# Altium PCB Atlas-Pi.PcbDoc (part 1 of 3) (continued)
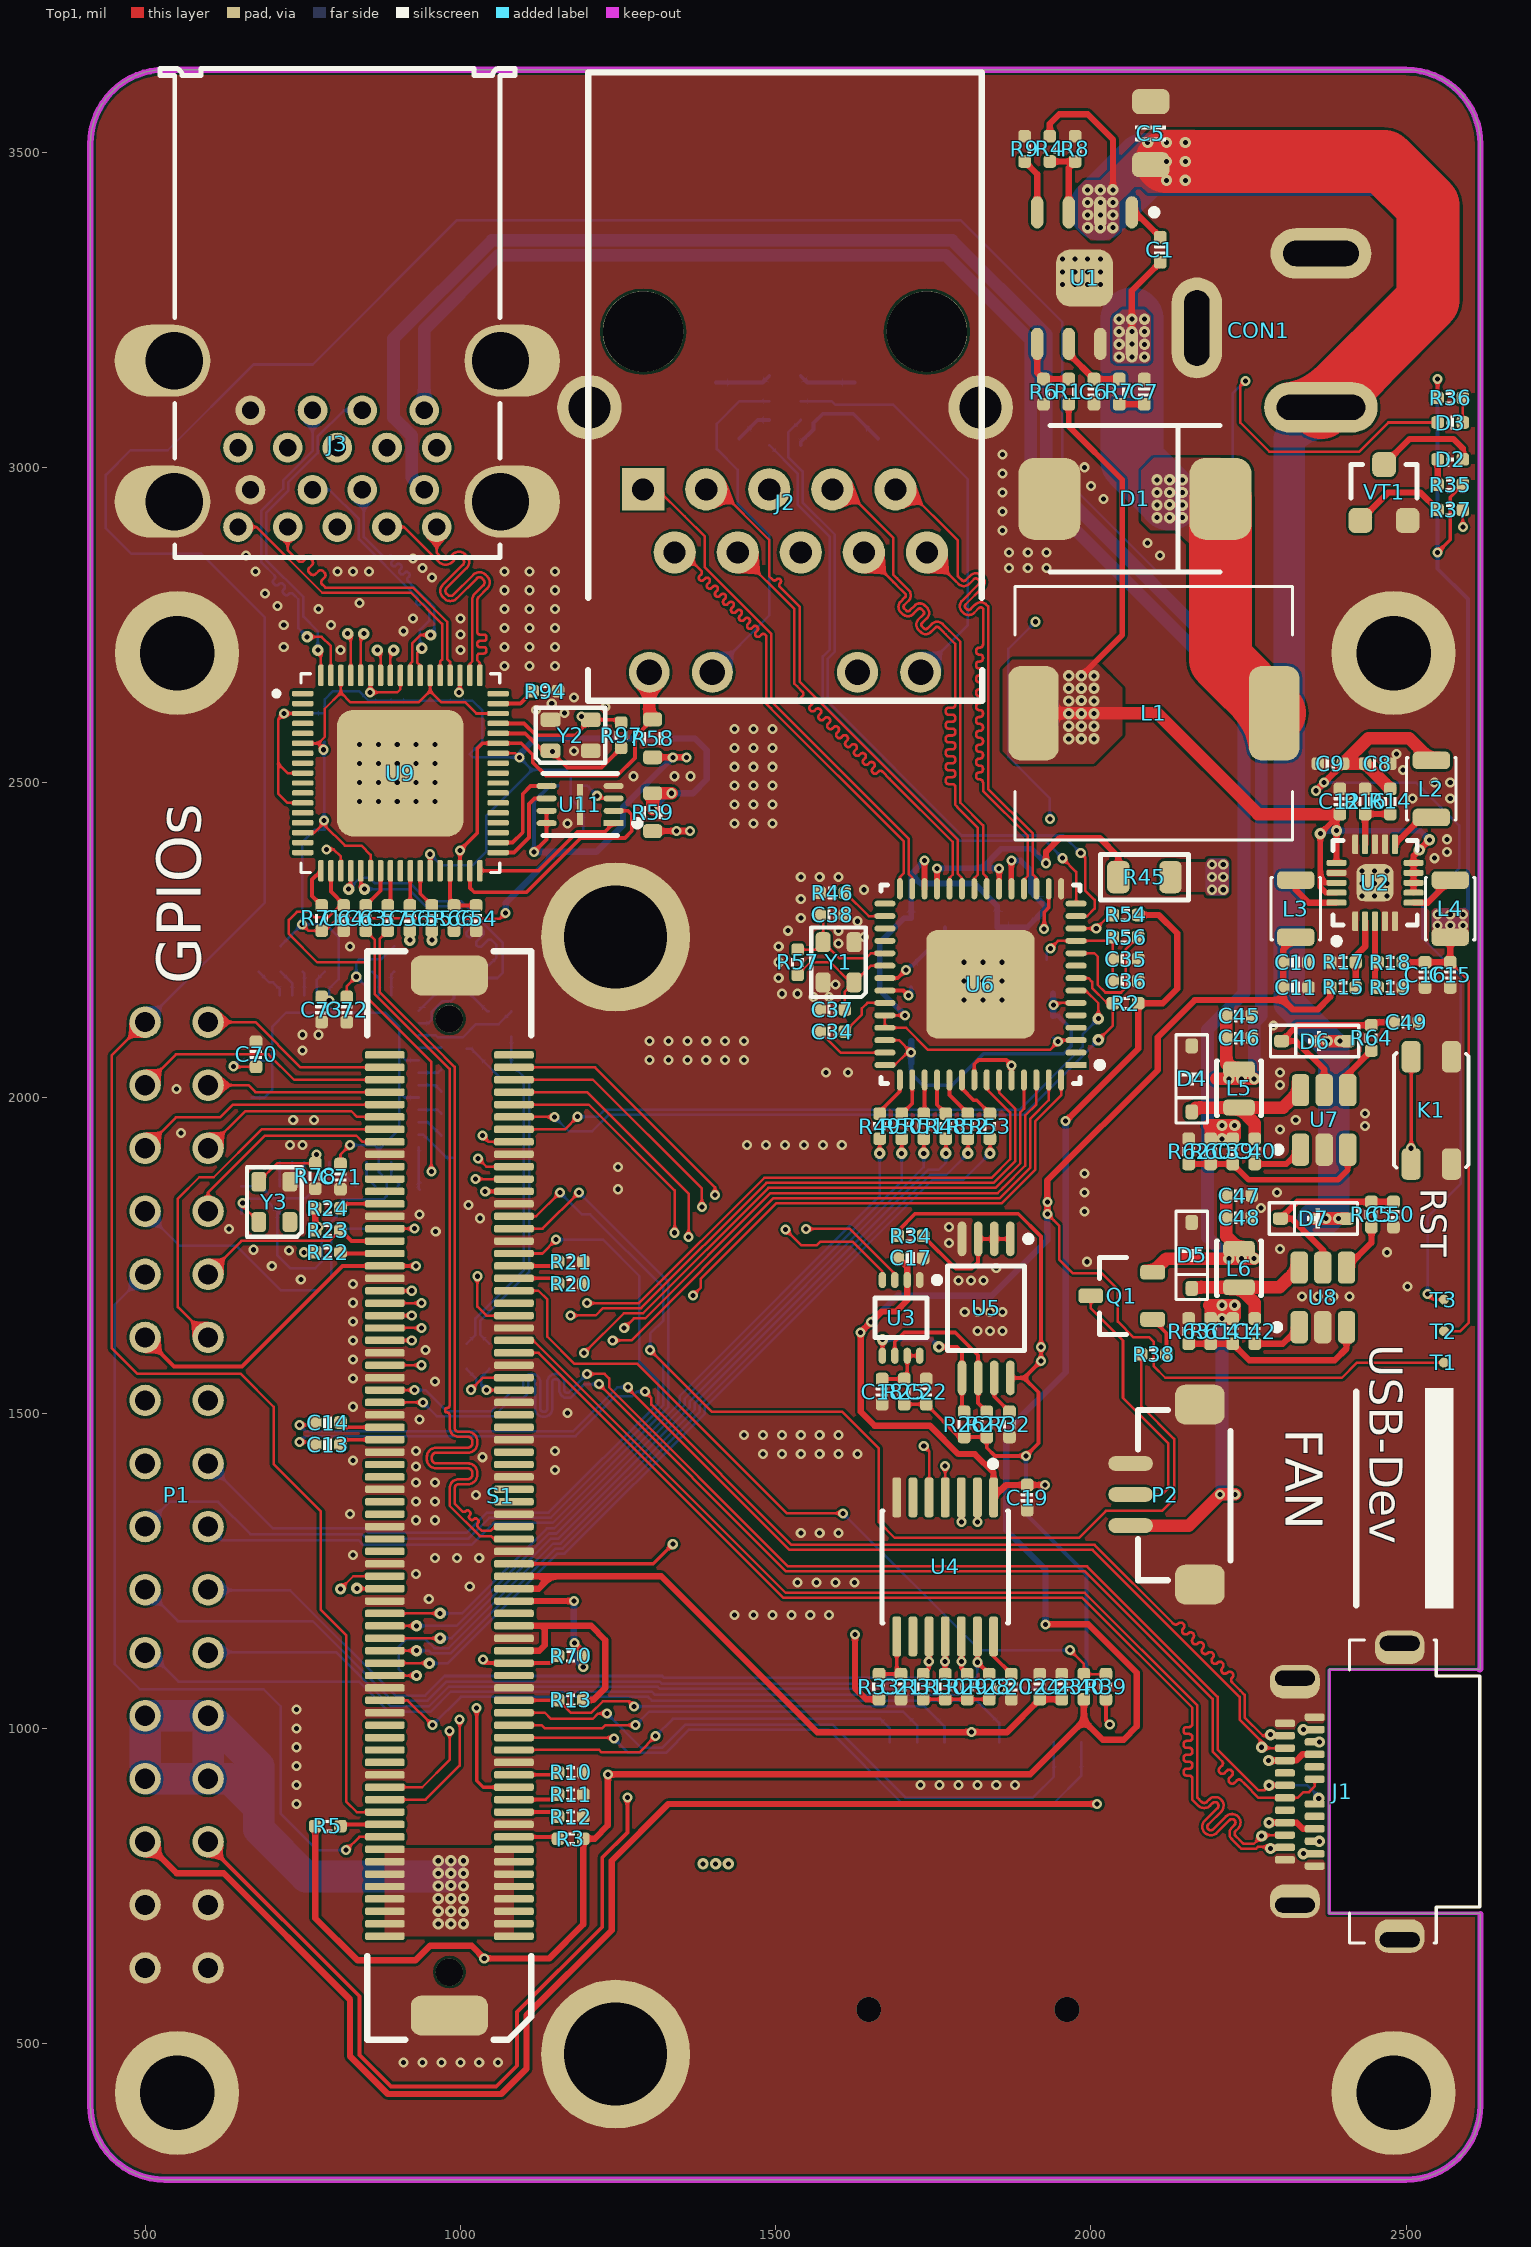
[diagram p0: Top1 view]
## Components (designator, comment, footprint, x,y, rotation, side; value= is the part's Value field where it differs from the comment) (continued)
T2 "测试点" TEST_PT 2560,1629.99 r0 top
T3 "测试点" TEST_PT 2560,1679.99 r0 top
TF1 "TF" TF-SOCKET 1500.91,649.64 r270 bottom locked
U1 "TPS54560DDAR" SO-8-PAD 1990,3300 r270 top locked
U2 "EA3036" QFN-20 2450.75,2341.02 r90 top
U3 "PCA9306DCUT" VSSOP-8 1699,1651 r270 top
U4 "TXS0104EPWR" R-PDSO-G14 1769,1256 r180 top
U5 "24LC256-I/ST" TSSOP-8 1834,1666 r270 top
U6 "88E1512-A0-NNP2I000" QFN-56 1825,2180 r180 top
U7 "ME3116" SOT23-6 2370,1965 r90 top
U8 "ME3116" SOT23-6 2368,1683.5 r90 top
U9 "VL805" QFN-68-0.4MM 905,2515 r0 top
U10 "PI6C49D1510ZDIEX" QFN-48_7X7 802,2030 r180 bottom
U11 "W25Q80DVUXIE_TR" SPI-FLASH-USON 1190,2465 r180 top
VT1 "S8050" SMT_TRIODE_NPN 2465,2960 r0 top
VT2 "S8050" SMT_TRIODE_NPN 1625,3090 r180 bottom
VT3 "S8050" SMT_TRIODE_NPN 1405,3090 r180 bottom
Y1 "25MHz" 晶振2520 1600,2215 r90 top
Y2 "25MHz" 晶振2520 1175,2575 r0 top
Y3 "100MHz" 晶振2520 705,1835 r90 top

## Footprints (in the part's own frame and the unit in brackets; to place one, negate y for a bottom-side part, rotate by r counter-clockwise, add the part's x,y. Pads: shape width x height; smd on the part's side, far side on the other; paste and mask are expansions set on the pad)
0603-RES [mil]
  rrect50% 22x30 smd: 1(-30,0) 2(30,0)
  silkscreen extent -10,-16 10,16, body extent -31,-16 31,16, height 18
0805-L [mm]
  rrect50% 0.9x1.3 smd: 1(-1.05,0) 2(1.05,0)
  silkscreen extent -1.78,-0.91 1.78,0.91, body extent -1,-0.6 1,0.6, height 0.76
1206-CAP [mm]
  rrect50% 1x1.5 smd: 1(-1.27,0) 2(1.27,0)
  silkscreen extent -0.3,-0.61 0.3,0.61, body extent -1.5,-0.75 1.5,0.75, height 1.5
2520-L [mm]
  rrect50% 0.7x1.5 smd: 1(-1.15,0) 2(1.15,0)
  silkscreen extent -1.25,-1 1.25,1, body extent -1,-0.6 1,0.6, height 0.92
692141030100 [mm] "USB 3.0 Type A Stacked"
  round 1.2 hole 0.7: A1(-3.5,3.93) A2(-1,3.93) A3(1,3.93) A4(3.5,3.93) A5(4,5.43) A6(2,5.43) A7(0,5.43) A8(-2,5.43) A9(-4,5.43) B1(-3.5,7.13) B2(-1,7.13) B3(1,7.13) B4(3.5,7.13) B5(4,8.63) B6(2,8.63) B7(0,8.63) B8(-2,8.63) B9(-4,8.63)
  oval 3.85x2.9 hole 2.3 copper offset -0.475,0: Shell(-6.57,7.61) Shell(-6.57,1.93)
  oval 3.85x2.9 hole 2.3 copper offset 0.475,0: Shell(6.57,7.61) Shell(6.57,1.93)
  silkscreen extent -7.15,-9.85 7.15,9.85, body extent -7.79,-9.85 7.79,9.85, height 16.16
ATLAS-200 [mm]
  rrect50% 0.3x1.6 smd: 1(-17.75,2.6) 2(-17.75,-2.6) 3(-17.25,2.6) 4(-17.25,-2.6) 5(-16.75,2.6) 6(-16.75,-2.6) 7(-16.25,2.6) 8(-16.25,-2.6) 9(-15.75,2.6) 10(-15.75,-2.6) 11(-15.25,2.6) 12(-15.25,-2.6) 13(-14.75,2.6) 14(-14.75,-2.6) 15(-14.25,2.6) 16(-14.25,-2.6) 17(-13.75,2.6) 18(-13.75,-2.6) 19(-13.25,2.6) 20(-13.25,-2.6) 21(-12.75,2.6) 22(-12.75,-2.6) 23(-12.25,2.6) 24(-12.25,-2.6) 25(-11.75,2.6) 26(-11.75,-2.6) 27(-11.25,2.6) 28(-11.25,-2.6) 29(-10.75,2.6) 30(-10.75,-2.6) 31(-10.25,2.6) 32(-10.25,-2.6) 33(-9.75,2.6) 34(-9.75,-2.6) 35(-9.25,2.6) 36(-9.25,-2.6) 37(-8.75,2.6) 38(-8.75,-2.6) 39(-8.25,2.6) 40(-8.25,-2.6) 41(-7.75,2.6) 42(-7.75,-2.6) 43(-7.25,2.6) 44(-7.25,-2.6) 45(-6.75,2.6) 46(-6.75,-2.6) 47(-6.25,2.6) 48(-6.25,-2.6) 49(-5.75,2.6) 50(-5.75,-2.6) 51(-5.25,2.6) 52(-5.25,-2.6) 53(-4.75,2.6) 54(-4.75,-2.6) 55(-4.25,2.6) 56(-4.25,-2.6) 57(-3.75,2.6) 58(-3.75,-2.6) 59(-3.25,2.6) 60(-3.25,-2.6) 61(-2.75,2.6) 62(-2.75,-2.6) 63(-2.25,2.6) 64(-2.25,-2.6) 65(-1.75,2.6) 66(-1.75,-2.6) 67(-1.25,2.6) 68(-1.25,-2.6) 69(-0.75,2.6) 70(-0.75,-2.6) 71(-0.25,2.6) 72(-0.25,-2.6) 73(0.25,2.6) 74(0.25,-2.6) 75(0.75,2.6) 76(0.75,-2.6) 77(1.25,2.6) 78(1.25,-2.6) 79(1.75,2.6) 80(1.75,-2.6) 81(2.25,2.6) 82(2.25,-2.6) 83(2.75,2.6) 84(2.75,-2.6) 85(3.25,2.6) 86(3.25,-2.6) 87(3.75,2.6) 88(3.75,-2.6) 89(4.25,2.6) 90(4.25,-2.6) 91(4.75,2.6) 92(4.75,-2.6) 93(5.25,2.6) 94(5.25,-2.6) 95(5.75,2.6) 96(5.75,-2.6) 97(6.25,2.6) 98(6.25,-2.6) 99(6.75,2.6) 100(6.75,-2.6) 101(7.25,2.6) 102(7.25,-2.6) 103(7.75,2.6) 104(7.75,-2.6) 105(8.25,2.6) 106(8.25,-2.6) 107(8.75,2.6) 108(8.75,-2.6) 109(9.25,2.6) 110(9.25,-2.6) 111(9.75,2.6) 112(9.75,-2.6) 113(10.25,2.6) 114(10.25,-2.6) 115(10.75,2.6) 116(10.75,-2.6) 117(11.25,2.6) 118(11.25,-2.6) 119(11.75,2.6) 120(11.75,-2.6) 121(12.25,2.6) 122(12.25,-2.6) 123(12.75,2.6) 124(12.75,-2.6) 125(13.25,2.6) 126(13.25,-2.6) 127(13.75,2.6) 128(13.75,-2.6) 129(14.25,2.6) 130(14.25,-2.6) 131(14.75,2.6) 132(14.75,-2.6) 133(15.25,2.6) 134(15.25,-2.6) 135(15.75,2.6) 136(15.75,-2.6) 137(16.25,2.6) 138(16.25,-2.6) 139(16.75,2.6) 140(16.75,-2.6) 141(17.25,2.6) 142(17.25,-2.6) 143(17.75,2.6) 144(17.75,-2.6)
  rrect50% 1.6x3.1 smd: S1(-20.95,0) S2(20.95,0)
  round 6 hole 4.15: ""(-22.502,-6.7) ""(22.498,-6.7)
  round 1.1 hole 1.1: ""(-19.2,0) ""(19.2,0)
  silkscreen extent -21.93,-3.3 21.93,3.3, body extent -26.3,-32.9 26.3,5.6, height 11.85
ButtonTACT_3.5*3.55_90 [mil]
  rrect50% 50x30 smd: 1(-85,32) 2(-85,-32) 3(85,32) 4(85,-32)
  silkscreen extent -91,-59 91,59, body extent -90,-55 91,85, height 56
CAP_0402 [mil]
  rrect50% 20x20 smd: 1(-20,0) 2(20,0)
  silkscreen extent -7,-9 7,9, body extent -20,-10 20,10, height 20
DO-214AB-SMC [mm]
  rrect50% 2.5x3.3 smd paste+0 mask+0: 1(-3.45,0) 2(3.45,0)
  silkscreen extent -3.43,-2.95 3.43,2.95, body extent -3.98,-2.95 3.97,2.95, height 2.27
GE-SOCKET [mm] "WE-RJ45 LAN Transformer, THT"
  rect 1.7x1.7 hole 0.89: 1(-5.715,0.51)
  round 1.7 hole 0.89: 2(-4.445,-2.03) 3(-3.175,0.51) 4(-1.905,-2.03) 5(-0.635,0.51) 6(0.635,-2.03) 7(1.905,0.51) 8(3.175,-2.03) 9(4.445,0.51) 10(5.715,-2.03)
  round 1.65 hole 1.02: 11(-5.469,-6.86) 12(-2.929,-6.86) 13(2.921,-6.86) 14(5.461,-6.86)
  round 2.6 hole 1.7: S(-7.878,3.81) S(7.878,3.81)
  round 3.25 hole 3.25 unplated paste+0: ""(-5.715,6.86) ""(5.715,6.86)
  silkscreen extent -7.94,-8 7.94,17.3, body extent -8.2,-7.73 8.2,17.58, height 13.35
HDR2X16_2.54_180 [mil]
  round 50 hole 32: 1(0,0) 2(100,0) 3(0,-100) 4(100,-100) 5(0,-200) 6(100,-200) 7(0,-300) 8(100,-300) 9(0,-400) 10(100,-400) 11(0,-500) 12(100,-500) 13(0,-600) 14(100,-600) 15(0,-700) 16(100,-700) 17(0,-800) 18(100,-800) 19(0,-900) 20(100,-900) 21(0,-1000) 22(100,-1000) 23(0,-1100) 24(100,-1100) 25(0,-1200) 26(100,-1200) 27(0,-1300) 28(100,-1300) 29(0,-1400) 30(100,-1400) 31(0,-1500) 32(100,-1500)
  body extent -50,-1550 150,50, height 335
IND-201612 [mil]
  rrect50% 25x50 smd paste+0 mask+0: 1(-30.46,0) 2(30.46,0)
  silkscreen extent -43,-35 43,35, body extent -39,-31 39,32, height 37
IND_1040 [mil]
  rrect50% 80x150 smd: 1(-190.94,0) 2(190.94,0)
  silkscreen extent -220,-201 220,201, body extent -217,-197 217,197, height 146
KLD_0202 [mil]
  oval 80x180 hole 40 slot 140 at 90 deg: 1(539.37,0)
  oval 80x160 hole 40 slot 120 at 90 deg: 2(295.28,0)
  oval 160x80 hole 40 slot 120 at 0 deg: 3(413.39,-196.85)
  body extent -9,-213 562,173, height 433
LED_0402_GREEN [mil]
  rrect50% 20x20 smd: 1(-20,0) 2(20,0)
  silkscreen extent -6,-10 6,10, body extent -20,-10 20,10, height 18
LED_0402_ORANGE [mil]
  rrect50% 20x20 smd: 1(-20,0) 2(20,0)
  silkscreen extent -6,-10 6,10, body extent -20,-10 20,10, height 18
QFN-20 [mm] "QFN, 20-Leads, Body 3.00x3.00mm, Pitch 0.40mm, Thermal Pad 1.65x1.65mm, IPC Medium Density"
  rrect50% 0.8x0.24 smd: 1(-1.55,0.8) 2(-1.55,0.4) 3(-1.55,0) 4(-1.55,-0.4) 5(-1.55,-0.8) 11(1.55,-0.8) 12(1.55,-0.4) 13(1.55,0) 14(1.55,0.4) 15(1.55,0.8)
  rrect50% 0.24x0.8 smd: 6(-0.8,-1.55) 7(-0.4,-1.55) 8(0,-1.55) 9(0.4,-1.55) 10(0.8,-1.55) 16(0.8,1.55) 17(0.4,1.55) 18(0,1.55) 19(-0.4,1.55) 20(-0.8,1.55)
  rrect50% 1.5x1.5 smd: 21(0,0)
  silkscreen extent -2.47,-1.7 1.7,1.7, body extent -1.56,-1.56 1.56,1.56, height 0.8
QFN-48_7X7 [mm]
  rrect50% 0.675x0.25 smd: 1(-3.363,2.75) 2(-3.363,2.25) 3(-3.363,1.75) 4(-3.363,1.25) 5(-3.363,0.75) 6(-3.363,0.25) 7(-3.363,-0.25) 8(-3.363,-0.75) 9(-3.363,-1.25) 10(-3.363,-1.75) 11(-3.363,-2.25) 12(-3.363,-2.75) 25(3.363,-2.75) 26(3.363,-2.25) 27(3.363,-1.75) 28(3.363,-1.25) 29(3.363,-0.75) 30(3.363,-0.25) 31(3.363,0.25) 32(3.363,0.75) 33(3.363,1.25) 34(3.363,1.75) 35(3.363,2.25) 36(3.363,2.75)
  rrect50% 0.25x0.675 smd: 13(-2.75,-3.363) 14(-2.25,-3.363) 15(-1.75,-3.363) 16(-1.25,-3.363) 17(-0.75,-3.363) 18(-0.25,-3.363) 19(0.25,-3.363) 20(0.75,-3.363) 21(1.25,-3.363) 22(1.75,-3.363) 23(2.25,-3.363) 24(2.75,-3.363) 37(2.75,3.363) 38(2.25,3.363) 39(1.75,3.363) 40(1.25,3.363) 41(0.75,3.363) 42(0.25,3.363) 43(-0.25,3.363) 44(-0.75,3.363) 45(-1.25,3.363) 46(-1.75,3.363) 47(-2.25,3.363) 48(-2.75,3.363)
  rrect20% 4.064x4.064 smd: 49(0,0)
  silkscreen extent -3.5,-3.5 3.5,3.5, body extent -3.5,-3.5 3.5,3.5, height 1
QFN-56 [mm]
  rect 0.857x0.239 smd paste+0 mask+0: 1(-3.851,3.25)
  rrect100% 0.857x0.239 smd paste+0 mask+0: 2(-3.851,2.75) 3(-3.851,2.25) 4(-3.851,1.75) 5(-3.851,1.25) 6(-3.851,0.75) 7(-3.851,0.25) 8(-3.851,-0.25) 9(-3.851,-0.75) 10(-3.851,-1.25) 11(-3.851,-1.75) 12(-3.851,-2.25) 13(-3.851,-2.75) 14(-3.851,-3.25) 29(3.851,-3.25) 30(3.851,-2.75) 31(3.851,-2.25) 32(3.851,-1.75) 33(3.851,-1.25) 34(3.851,-0.75) 35(3.851,-0.25) 36(3.851,0.25) 37(3.851,0.75) 38(3.851,1.25) 39(3.851,1.75) 40(3.851,2.25) 41(3.851,2.75) 42(3.851,3.25)
  rrect100% 0.239x0.857 smd paste+0 mask+0: 15(-3.25,-3.851) 16(-2.75,-3.851) 17(-2.25,-3.851) 18(-1.75,-3.851) 19(-1.25,-3.851) 20(-0.75,-3.851) 21(-0.25,-3.851) 22(0.25,-3.851) 23(0.75,-3.851) 24(1.25,-3.851) 25(1.75,-3.851) 26(2.25,-3.851) 27(2.75,-3.851) 28(3.25,-3.851) 43(3.25,3.851) 44(2.75,3.851) 45(2.25,3.851) 46(1.75,3.851) 47(1.25,3.851) 48(0.75,3.851) 49(0.25,3.851) 50(-0.25,3.851) 51(-0.75,3.851) 52(-1.25,3.851) 53(-1.75,3.851) 54(-2.25,3.851) 55(-2.75,3.851) 56(-3.25,3.851)
  rrect20% 4.37x4.37 smd paste-1000 mask+0: 57(0,0)
  silkscreen extent -4.93,-4 4,4, body extent -4.38,-4.38 4.38,4.38, height 0.25
QFN-68-0.4MM [mm]
  rrect50% 0.86x0.22 smd: 1(-3.935,3.2) 2(-3.935,2.8) 3(-3.935,2.4) 4(-3.935,2) 5(-3.935,1.6) 6(-3.935,1.2) 7(-3.935,0.8) 8(-3.935,0.4) 9(-3.935,0) 10(-3.935,-0.4) 11(-3.935,-0.8) 12(-3.935,-1.2) 13(-3.935,-1.6) 14(-3.935,-2) 15(-3.935,-2.4) 16(-3.935,-2.8) 17(-3.935,-3.2) 35(3.935,-3.2) 36(3.935,-2.8) 37(3.935,-2.4) 38(3.935,-2) 39(3.935,-1.6) 40(3.935,-1.2) 41(3.935,-0.8) 42(3.935,-0.4) 43(3.935,0) 44(3.935,0.4) 45(3.935,0.8) 46(3.935,1.2) 47(3.935,1.6) 48(3.935,2) 49(3.935,2.4) 50(3.935,2.8) 51(3.935,3.2)
  rrect50% 0.22x0.86 smd: 18(-3.2,-3.935) 19(-2.8,-3.935) 20(-2.4,-3.935) 21(-2,-3.935) 22(-1.6,-3.935) 23(-1.2,-3.935) 24(-0.8,-3.935) 25(-0.4,-3.935) 26(0,-3.935) 27(0.4,-3.935) 28(0.8,-3.935) 29(1.2,-3.935) 30(1.6,-3.935) 31(2,-3.935) 32(2.4,-3.935) 33(2.8,-3.935) 34(3.2,-3.935) 52(3.2,3.935) 53(2.8,3.935) 54(2.4,3.935) 55(2,3.935) 56(1.6,3.935) 57(1.2,3.935) 58(0.8,3.935) 59(0.4,3.935) 60(0,3.935) 61(-0.4,3.935) 62(-0.8,3.935) 63(-1.2,3.935) 64(-1.6,3.935) 65(-2,3.935) 66(-2.4,3.935) 67(-2.8,3.935) 68(-3.2,3.935)
  rrect25% 5.1x5.1 smd paste-4: 69(0,0)
  silkscreen extent -5.09,-4 4,4, body extent -4.02,-4.02 4.02,4.02, height 0.84
R-PDSO-G14 [mm]
  rrect50% 0.35x1.6 smd paste-1000 mask+0: 1(-1.95,-2.8) 2(-1.3,-2.8) 3(-0.65,-2.8) 4(0,-2.8) 5(0.65,-2.8) 6(1.3,-2.8) 7(1.95,-2.8) 8(1.95,2.8) 9(1.3,2.8) 10(0.65,2.8) 11(0,2.8) 12(-0.65,2.8) 13(-1.3,2.8) 14(-1.95,2.8)
  silkscreen extent -2.55,-4.27 2.55,2.25, body extent -2.8,-3.7 2.8,3.7, height 0.25
RES_0402 [mil]
  rrect50% 20x20 smd: 1(-20,0) 2(20,0)
  silkscreen extent -7,-10 7,10, body extent -20,-10 20,10, height 14
SMT_TRIODE_NPN [mm] "Surface mount NPN transistor, package SOT-23"
  rrect50% 0.95x1 smd: 1(-0.95,-1.125) 2(0.95,-1.125) 3(0,1.125)
  silkscreen extent -1.33,-0.22 1.32,1.13, body extent -1.45,-1.4 1.45,1.4, height 1.3
SO-8-PAD [mm]
  oval 1.3x0.5 smd: 1(-2.65,1.905) 2(-2.65,0.635) 3(-2.65,-0.635) 4(-2.65,-1.905) 5(2.65,-1.905) 6(2.65,-0.635) 7(2.65,0.635) 8(2.65,1.905)
  rrect50% 2.3x2.3 smd: 9(0,0)
  silkscreen extent -2.77,2.68 -2.53,2.93, body extent -2.89,-2.44 2.89,2.46, height 1.45
SOD-323 [mm]
  rrect50% 0.6x0.5 smd: 1(-1.329,0) 2(1.329,0)
  silkscreen extent -1.78,-0.64 1.78,0.64, body extent -1.3,-0.68 1.3,0.67, height 1.15
SOT23-3 [mm] "SOT23, 3-Leads, Body 3.1x3.0mm (max), Pitch 0.95mm, IPC Medium Density"
  rrect50% 1x0.6 smd: 1(-1.246,0.95) 2(-1.246,-0.95) 3(1.246,0)
  silkscreen extent -0.2,-1.55 0.9,1.55, body extent -1.3,-1.45 1.5,1.45, height 1.2
SOT23-6 [mm]
  rrect50% 1.3x0.7 smd: 1(-1.2,0.95) 2(-1.2,0) 3(-1.2,-0.95) 4(1.2,-0.95) 5(1.2,0) 6(1.2,0.95)
  silkscreen extent -1.32,1.73 -1.08,1.97, body extent -1.4,-1.45 1.4,1.45, height 1.45
SPI-FLASH-USON [mm]
  rect 0.811x0.242 smd paste+0 mask+0: 1(-1.351,0.75)
  rrect100% 0.811x0.242 smd paste+0 mask+0: 2(-1.351,0.25) 3(-1.351,-0.25) 4(-1.351,-0.75) 5(1.351,-0.75) 6(1.351,-0.25) 7(1.351,0.25) 8(1.351,0.75)
  rect 0.25x1.65 smd paste-1000 mask+0: 9(0,0)
  silkscreen extent -2.43,-1.25 1.5,1.25, body extent -1.86,-1.1 1.86,1.1, height 0.25
TEST_PT [mil]
  rrect100% 16x16 smd: 0(0,0.01)
TF-SOCKET [mm]
  oval 2x0.7 smd: 1(-8.331,-4.582) 2(-8.331,-5.682) 3(-8.331,-6.782) 4(-8.331,-7.882) 5(-8.331,-8.982) 6(-8.331,-10.082) 7(-8.331,-11.182) 8(-8.331,-12.282) 9(-8.331,-13.382)
  rrect50% 1.6x1.4 smd: 10(-7.577,-14.836) 10(-7.577,0.068)
  rrect50% 2.4x1.4 smd: 10(2.023,-14.836) 10(2.023,1.476)
  silkscreen extent -8.33,-14.15 6.15,0.84, body extent -8.87,-14.81 8.18,1.29, height 2.05
TSSOP-8 [mm] "TSOP, 8-Leads, Body 3x4.4mm, Pitch 0.65mm, IPC High Density"
  oval 1.4x0.35 smd: 1(-2.8,0.975) 2(-2.8,0.325) 3(-2.8,-0.325) 4(-2.8,-0.975) 5(2.8,-0.975) 6(2.8,-0.325) 7(2.8,0.325) 8(2.8,0.975)
  silkscreen extent -2.92,-1.55 1.7,1.83, body extent -3.2,-1.5 3.2,1.5, height 1.2
"USB TYPE C TE" [mm]
  rrect50% 0.3x0.8 smd: A1(-2.75,0.6) A2(-2.25,0.6) A3(-1.75,0.6) A4(-1.25,0.6) A5(-0.75,0.6) A6(-0.25,0.6) A7(0.25,0.6) A8(0.75,0.6) A9(1.25,0.6) A10(1.75,0.6) A11(2.25,0.6) A12(2.75,0.6) B1(3,-0.6) B2(2.5,-0.6) B3(2,-0.6) B4(1.5,-0.6) B5(1,-0.6) B6(0.5,-0.6) B7(-0.5,-0.6) B8(-1,-0.6) B9(-1.5,-0.6) B10(-2,-0.6) B11(-2.5,-0.6) B12(-3,-0.6)
  rrect80% 1.35x2 hole 0.6 slot 1.605 at 90 deg copper offset 0.152,0 mask+0: S1(-5.97,-4.03) ""(-4.572,0.195)
  rrect80% 1.35x2 hole 0.6 slot 1.605 at 90 deg copper offset -0.152,0 mask+0: S2(5.97,-4.03) ""(4.572,0.195)
  silkscreen extent -6.1,-7.25 6.1,-2, body extent -6.07,-7.24 6.07,0.86, height 2.56
VSSOP-8 [mm] "TSSOP, 8-Leads, Body 2x2.3mm, Pitch 0.5mm, IPC High Density"
  oval 0.65x0.3 smd: 1(-1.525,0.75) 2(-1.525,0.25) 3(-1.525,-0.25) 4(-1.525,-0.75) 5(1.525,-0.75) 6(1.525,-0.25) 7(1.525,0.25) 8(1.525,0.75)
  silkscreen extent -1.65,-1.05 0.8,1.58, body extent -1.6,-1.05 1.6,1.05, height 0.9
"接插件 3P" [mm]
  rrect50% 1.6x2 smd: 0(0.034,-0.486) 0(7.284,-0.486)
  oval 0.6x1.8 smd: 1(2.409,-3.278) 2(3.659,-3.278) 3(4.909,-3.278)
  silkscreen extent 0.25,-2.98 7.11,0.75, body extent -0.77,-3.73 8.03,1.23, height 3.8
晶振2520 [mm]
  rrect50% 0.8x0.6 smd: 1(-0.81,-0.625) 2(0.81,-0.625) 3(0.81,0.625) 4(-0.81,0.625)
  silkscreen extent -1.4,-1.1 1.4,1.1, body extent -1.3,-1.05 1.3,1.05, height 0.55

## Part data
C1 C3 C4 C6 C7 C8 C9 C10 C11 C12 C13 C14 C15 C16 C17 C18 C19 C20 C21 C22 C23 C24 C25 C26 C27 C28 C29 C30 C31 C32 C33 C34 C35 C36 C37 C38 C39 C40 C41 C42 C43 C44 C45 C46 C47 C48 C49 C50 C51 C52 C53 C54 C55 C56 C57 C58 C59 C60 C61 C62 C63 C64 C65 C66 C67 C68 C69 C70 C71 C72 C73: library part 电容-0402, "Capacitor"
C2 C5: library part 电容-1206, "Capacitor"
CON1: "DC Power Jack"
D2 D3: library part LED_0402, "LED", Type=0402
D4 D5 D6 D7: "40V"
J1: "SPLASH PROOF USB TYPE C REC, DUAL SMT", Package=None, Availability=Good, Centerline_Pitch=".5 mm[.019 in]", EU_RoHS_Compliance=Compliant, Link=http://www.te.com/usa-en/product-2295018-2.html, MF="TE Connectivity", MP=2295018-2, Number_of_Positions=24, Price="1.84 USD", Product_Type=Connector, SnapEDA_Link=https://www.snapeda.com/parts/2295018-2/TE%20Connectivity%20AMP%20Connectors/view-part/?ref=snap
J2: library part GE-SOCKET, "LAN-Transformer WE-RJ45LAN 10/100/1000 BaseT", Manufacturer="Wurth Elektronik", PartNumber=WE_7499110124, PartSymbol=WE_7499110124
J3: library part 692141030100, "USB 3.0 Type A, Receptacle, Horizontal, THR, Dual Stacked", Manufacturer="Wurth Elektronik", Operating Temperature="-40 to +85degC", Rated Current=1.8A, Working Voltage=30VAC, Application="USB 3.0", ComponentLink1Description=Manufacturer, ComponentLink1URL=http://www.we-online.de, ComponentLink2Description=Datasheet, ComponentLink2URL=https://katalog.we-online.com/em/datasheet/692141030100.pdf, Gender=Receptacle, Interface Type="Type A", Manufacturer Part Number=692141030100, Mounting Technology=THR, Packaging=Tray, Pin Number=18, Published Date="August 2020", Type=Horizontal
K1: library part ButtonTACT, "Button", Type="TACT 4P"
L1: library part 电感-1040, "Fixed Inductors 4.7uH 30% SMD 1240", Package=None, Availability=Bad, Check_prices=https://www.snapeda.com/parts/SRR1240-4R7Y/Bourns/view-part/1646614/?ref=eda, MF=Bourns, MP=SRR1240-4R7Y, Price=None, SnapEDA_Link=https://www.snapeda.com/parts/SRR1240-4R7Y/Bourns/view-part/1646614/?ref=snap
L2 L3 L4: library part 电感-2520, "磁珠"
L5 L6: library part 电感-201612
P1 P2: "Header"
Q1: "MOSFET", LatestRevisionDate=17-Jul-2002, LatestRevisionNote="Re-released for DXP Platform.", PackageDescription="TO, Flat Index; 3 In-Line, Axial Leads; Body Dia. 4.6mm; Lead Dia. 0.5 mm (max)", PackageReference=E3, PackageVersion=1995/1996, Published=8-Jun-2000, Publisher="Altium Limited"
R1 R2 R3 R4 R5 R6 R7 R8 R9 R10 R11 R12 R13 R14 R15 R16 R17 R18 R19 R20 R21 R22 R23 R24 R25 R26 R27 R28 R29 R30 R31 R32 R33 R34 R35 R36 R37 R38 R39 R40 R41 R42 R43 R44 R46 R48 R49 R50 R51 R52 R53 R54 R56 R57 R60 R61 R62 R63 R64 R65 R66 R67 R68 R69 R70 R71 R72 R73 R74 R75 R76 R77 R78 R79 R80 R81 R82 R83 R84 R85 R86 R87 R88 R89 R90 R91 R92 R93 R94 R95 R96 R97 R98 R99 R100: library part 电阻-0402, "Resistor"
R45 R47 R55: library part 电阻-0805, "Resistor"
R58 R59: library part 电阻-0603, "Resistor"
S1: library part Atlas-200, "Atlas-A200 AI-SOM"
TF1: library part TF卡座, "8脚自弹"
U1: "DC-DC Convter"
U2: "EA3036 is a 3CH power management IC for applications powered by one Li-Ion battery or a DC 5V adapter."
U3: "Dual Bi-Directional I2C-Bus and SMBus Voltage Level-Translator, 0 to 5.5 V, -40 to 85 degC, 8-pin US8 (DCU), Green (RoHS & no Sb/Br)", 5V Tolerant I/O=Yes, Manufacturer="Texas Instruments", Max Frequency(kHz)=400, On-Chip Power-on-Reset=No, Rating=Catalog, Code_JEDEC=MO-187-CA, ComponentLink1Description=Datasheet, ComponentLink1URL=http://www.ti.com/general/docs/lit/getliterature.tsp?genericPartNumber=PCA9306&fileType=pdf, ComponentLink2Description="Package Specification", ComponentLink2URL=http://www.ti.com/litv/pdf/mpds050d, DatasheetVersion=SCPS113J, Eco-Plan="Green (RoHS & no Sb/Br)", Enable Pin=Yes, fSCLK(Max)(MHz)=400, Function="Voltage Translator", Mounting Technology="Surface Mount", No. of Outputs=2, Open Drain I/O Type=Yes, PackageDescription="8-Pin Thin Shrink Small Outline Package 0.5 mm Pitch", PackageReference=DCU8, PackageVersion="revF, Jul-2005", PartNumber=PCA9306DCUT, SubFamily="I2C Special Function", tpd max(ns)=1.5, Vcc range(V)="0 to 5.5"
U5: "256Kbit, 400kHz, 2.5V, I2C Serial EEPROM, 8-Pin TSSOP, Industrial Temperature", Code_JEDEC=MO-153, DatasheetVersion="revP, Oct-2007", PackageDescription="8-Lead Plastic Thin Shrink Small Outline (ST) - 4.4mm Body [TSSOP]", PackageReference=TSSOP-ST8, PackageVersion="revBB, Aug-2009", PartNumber=24LC256-I/ST
U7 U8: "DC-DC"
U9: "PCIE to USB3.0"
VT1 VT2 VT3: library part SMT_TRIODE_NPN, "Surface mount NPN transistor, package SOT-23"
Y1 Y2: library part 晶振-4Pin-无源, "2520无源", Package="SMD-6 ECS International", Availability=Unavailable, MF="ECS International", MP=ECS-3225S30-240-EN-TR, Price="0.75 USD"
Y3: library part 晶振-4Pin-有源, "2520"

## Free pads (board coordinates)
  round 196.85 hole 118.11: ""(550.95,421.92) ""(550.95,2705.39) ""(2480.09,421.92) ""(2480.09,2705.39)

## Via types
v1: diameter 16, hole 8, Top1 to Bottom4, tented both sides, 455 vias
v2: diameter 18, hole 8, Top1 to Bottom4, tented both sides, 158 vias
v3: diameter 39.37, hole 39.37, Top1 to Bottom4, 2 vias

## Nets (pads, with @x,y where several pads share a name; then routed paths per layer and width w, separated by ;. In a path a pad name is that pad's centre, name@x,y a point inside that pad or via, vN(x,y) a via of type N, cw(c..) or ccw(c..) an arc to the next point about the centre after c; other vN are vias at no path point)
AVDD18: C25.1 C27.1 C28.1 R47.2 R55.2 U6.3 U6.19 U6.26 U6.38 U6.39 | length 1163.9
  Top1 w4: v1(1705.21,2130.79) U6.38@1673.4,2130.79 U6.39@1673.4,2111.1 1706.9,2111.1 1742,2076 1935,2076 v1(1948,2089) 1950.42,2091.42 U6.3@1976.6,2091.42
  Top1 w9: U6.26@1736.2,2331.6 v1(1736.2,2376.3) ; U6.19@1874,2331.6 v1(1874,2376.3)
  Bottom4 w4: C27.1@1940,2095 1942,2095 v1(1948,2089)
  Bottom4 w9: v1(1705.21,2130.79) 1665,2171 1665,2246 1704,2285 C25.1@1715,2285 1715,2355.1 ; v1(1736.2,2376.3) 1715,2355.1 ; v1(1874,2376.3) 1888.7,2376.3 1905,2360 1905,2326.34 R55.2@1930,2301.34 1898.66,2270 R47.2@1851.34,2270 1851.34,2304.66 1816,2340 1730.1,2340 1715,2355.1
AVDD33: R45.2 U6.20 U6.25 | length 473.9
  Top1 w9: U6.25@1756.1,2331.6 v1(1756.1,2363.9) ; U6.20@1854.53,2331.6 v1(1854.53,2363.9)
  Top1 w10: v1(1929,2372) 1929,2390 1951,2412 2014,2412 2043.66,2382.34 R45.2@2043.66,2350
  Bottom4 w9: v1(1756.1,2363.9) 1826.9,2363.9 ; v1(1854.53,2363.9) 1826.9,2363.9 ; v1(1929,2372) 1906,2395 1858,2395 1826.9,2363.9
CLK_OSC_100M: R68.1 R78.2 U10.20 Y3.3 | length 169
  Top1 w4: Y3.3@680.39,1866.89 709.5,1896 R78.2@770,1896 770,1907 v1@773,1910
  Bottom4 w4: U10.20@772.47,1897.62 772.47,1889.53 802,1860 R68.1@804.25,1860
  other v1: 772,1910
DVDD_1V: C29.1 C30.1 C31.1 C32.1 U6.6 U6.40 U6.42 | length 574.8
  Top1 w4: U6.42@1673.4,2052.05 1689.05,2052.05 1709,2072 v1(1715,2072) 1695.58,2091.42 U6.40@1673.4,2091.42 ; v1(1941,2147) 1944.47,2150.47 U6.6@1976.6,2150.47
  Bottom4 w6: C30.1@1715,2055 1715,2039 1734,2020 1780,2020 1830,2070 1957,2070 1969,2082 1969,2109 1948,2130 C32.1@1940,2130
  Bottom4 w10: C30.1@1715,2055 v1(1715,2072) C29.1@1715,2090 ; C32.1@1940,2130 1940,2147 C31.1@1940,2165
FB: R1.1 R6.2 U1.5 | length 99.8
  Top1 w10: U1.5@1915,3195.67 1915,3150 R6.2@1925,3140 R1.1@1965,3140
GE_PHY_INT: R54.2 S1.102 U6.12 | length 1446
  Top1 w4: v1(1027,1717) 1027,1669 1041.36,1654.65 S1.102@1085,1654.65 ; U6.12@1981.6,2268.58 v1(2008.58,2268.58) 2030,2290 R54.2@2035,2290
  Signal3 w4: v1(1027,1717) 1052,1742 1211.31,1742 1278.31,1809 1574.31,2105 1710,2105 1755,2150 1755,2229.27 1812.73,2287 1946,2287 1964.42,2268.58 v1(2008.58,2268.58)
GE_PHY_RST_N: S1.26 U6.16 | length 2116.7
  Top1 w6: v1(1026,1032) 1026,917 1036.39,906.61 S1.26@1085,906.61 ; v1(1926,2268) 1926,2294.37 1933.27,2301.64 U6.16@1933.27,2331.6
  Signal3 w4: v1(1026,1032) 1057,1063 1057,1230 1401,1574 1401,1692 1369,1724 1357,1724 1314,1767 1314,1832 1491,2009 1805,2009 1906,2110 1906,2248 v1(1926,2268)
GND: C2.1 C3.2 C4.2 C5.1 C6.1 C7.1 C8.2 C9.2 C10.2 C11.2 C12.1 C15.2 C16.2 C17.1 C18.1 C19.1 C20.1 C21.1 C22.1 C23.2 C24.2 C25.2 C26.1 C27.2 C28.2 C29.2 C30.2 C31.2 C32.2 C33.2 C35.2 C36.2 C37.2 C38.2 C43.2 C44.2 C45.1 C46.1 C47.1 C48.1 C49.1 C50.1 C51.1 C52.1 C53.1 C54.2 C58.1 C59.1 C60.1 C61.1 C62.1 C64.1 C66.1 C68.1 C69.1 C70.1 C71.1 C72.1 C73.1 CON1.2 CON1.3 D1.2 D4.1 D5.1 J1. J1.A1 J1.A12 J1.B1 J1.B12 J1.S1 J1.S2 J2.S J3.A4 J3.B4 J3.Shell K1.1 K1.3 P1.29 P1.30 P1.31 P1.32 P2.0 P2.1 pad. R6.1 R8.1 R9.1 R10.2 R11.2 R12.2 R16.1 R17.1 R19.1 R20.1 R21.1 R32.1 R46.2 R62.1 R63.1 R73.2 R75.2 R77.1 R78.1 R79.1 R80.1 R81.2 R82.2 R83.2 R84.2 R85.2 R86.1 R87.2 R88.1 R89.1 R90.1 R91.2 R93.2 R94.1 R95.1 R100.1 S1.20 S1.27 S1.30 S1.37 S1.41 S1.42 S1.50 S1.55 S1.61 S1.64 S1.67 S1.70 S1.73 S1.76 S1.79 S1.82 S1.85 S1.88 S1.91 S1.94 S1.95 S1.100 S1.107 S1.114 S1.117 S1.120 S1.127 S1.128 S1.@1246.42,483.33 S1.@1246.42,2254.98 S1.S1 S1.S2 TF1.6 TF1.10 U1.7 U1.9 U2.1 U2.4 U2.5 U2.12 U2.13 U2.15 U2.17 U2.21 U3.1 U4.7 U5.4 U6.15 U6.57 U7.2 U8.2 U9.69 U10.13 U10.18 U10.24 U10.37 U10.43 U10.48 U10.49 U11.4 U11.9 VT1.2 VT2.2 VT3.2 Y1.2 Y1.4 Y2.2 Y2.4 Y3.2
  other v1: 910,470 940,470 970,470 1000,470 1030,470 1060,470 740,880 740,910 1730,910 1760,910 1790,910 1820,910 1850,910 1880,910 740,940 740,970 740,1000 740,1030 1435,1180 1465,1180 1495,1180 1525,1180 1555,1180 1585,1180 950,1205 1015,1225 1535,1231 1565,1231 1595,1231 1625,1231 930,1245 960,1270 995,1270 1030,1270 830,1275 1540,1310 1570,1310 1600,1310 930,1330 960,1330 825,1340 930,1360 960,1360 1025,1370 930,1390 960,1390 1150,1410 930,1415 830,1425 1035,1430 1480,1435 1510,1435 1540,1435 1570,1435 1600,1435 1630,1435 930,1440 1150,1440 1450,1465 1480,1465 1510,1465 1540,1465 1570,1465 1600,1465 935,1490 1170,1500 830,1510 960,1550 830,1555 830,1585 945,1600 830,1615 1820,1630 1840,1630 1860,1630 830,1645 1800,1660 1820,1660 1840,1660 1860,1660 830,1675 2335,1685 2360,1685 2385,1685 2410,1685 2502,1701 830,1705 1790,1710 1810,1710 1830,1710 747,1712 1850,1730 701,1733 1994,1740 2470,1755 728,1758 672,1759 2300,1760 1775,1770 961,1788 633,1792 1775,1795 1031,1809 935,1815 1990,1820 2270,1825 1013,1830 1990,1850 2295,1850 1250,1855 1990,1880 1250,1890 730,1925 750,1925 1455,1925 1485,1925 1515,1925 1545,1925 1575,1925 1605,1925 557,1944 2300,1950 2435,1955 735,1965 768,1965 2325,1965 2435,1975 550,2014 2300,2020 1580,2040 1615,2040 2300,2040 1300,2060 1330,2060 1360,2060 1390,2060 1420,2060 1450,2060 750,2075 1300,2090 1330,2090 1360,2090 1390,2090 1420,2090 1450,2090 750,2100 775,2100 2290,2115 1799,2155 1829,2155 1859,2155 1560,2160 1585,2160 1510,2165 1535,2165 1595,2180 1799,2185 1829,2185 1859,2185 1505,2190 1505,2215 1799,2215 1829,2215 1859,2215 825,2240 1505,2240 1600,2245 1640,2255 1520,2265 1600,2265 1630,2280 1540,2285 1540,2315 2430,2320 2450,2320 2470,2320 1640,2330 2430,2340 2450,2340 2470,2340 1540,2350 1570,2350 1600,2350 2430,2360 2450,2360 2470,2360 2545,2380 2565,2390 2565,2410 1170,2435 1435,2435 1465,2435 1495,2435 1435,2465 1465,2465 1495,2465 840,2470 870,2470 900,2470 930,2470 960,2470 2415,2470 2455,2470 2510,2475 2570,2475 1435,2495 1465,2495 1495,2495 840,2500 870,2500 900,2500 930,2500 960,2500 2545,2500 2570,2500 1275,2510 1340,2510 1365,2510 2495,2520 1435,2525 1465,2525 1495,2525 840,2530 870,2530 900,2530 930,2530 960,2530 2485,2545 1180,2550 1435,2555 1465,2555 1495,2555 840,2560 870,2560 900,2560 930,2560 960,2560 1435,2585 1465,2585 1495,2585 1165,2610 1120,2615 1230,2620 1145,2625 1180,2635 1070,2685 1110,2685 1150,2685 810,2710 1000,2710 720,2715 1070,2715 1110,2715 1150,2715 1000,2735 910,2740 1070,2745 1110,2745 1150,2745 720,2750 795,2750 925,2760 1000,2760 775,2775 1070,2775 1110,2775 1150,2775 710,2780 840,2785 690,2800 1070,2805 1110,2805 1150,2805 955,2825 675,2835 805,2835 830,2835 855,2835 1070,2835 1110,2835 1150,2835 940,2840 1870,2840 1900,2840 1930,2840 925,2855 660,2860 2110,2860 1870,2865 1900,2865 1930,2865 2090,2880 1860,2900 1860,2930 2020,2950 1860,2960 2000,2970 1860,2990 1990,3000 1860,3020
  other v2: 1955,3290 1975,3290 1995,3290 2015,3290 1955,3310 1975,3310 1995,3310 2015,3310 1955,3330 1975,3330 1995,3330 2015,3330
  other v3: 1647.83,554.25 1962.01,554.25
GPHY_LED0: R43.1 U6.14 | length 1016.8
  Top1 w4: v1(1955,2380) 1976.6,2358.4 U6.14@1976.6,2307.95
  Bottom4 w4: R43.1@1490,3035 1535,2990 1535,2940.69 1586,2889.69 1586,2711 1575,2700 1575,2625 1792,2408 1927,2408 v1(1955,2380)
GPHY_LED0_TC: R41.2 VT3.3 | length 89.4
  Bottom4 w6: VT3.3@1405,3134.29 1479.29,3134.29 R41.2@1490,3145
GPHY_LED1: R42.1 U6.13 | length 1122.1
  Top1 w4: U6.13@1976.6,2288.27 1994.27,2288.27 2006,2300 2006,2314 1991,2329 1991,2381 v1(1984,2388)
  Bottom4 w4: R42.1@1540,3075 1520,3055 1520,3016.31 1543,2993.31 1543,2944 1594,2893 1594,2707.69 1583,2696.69 1583,2628.31 1795.31,2416 1956,2416 v1(1984,2388)
GPHY_LED1_TC: R44.2 VT2.3 | length 89.4
  Bottom4 w6: R44.2@1540,3145 1550.71,3134.29 VT2.3@1625,3134.29
GPIO2: P1.7 S1.115 | length 602.7
  Top1 w4: S1.115@880.28,1792.44 v1(927.56,1792.44)
  Bottom4 w4: P1.7@500,1820 555,1765 645,1765 715,1695 775,1695 795,1715 795,1776 811.44,1792.44 v1(927.56,1792.44)
GPIO6: P1.2 S1.141 | length 310
  Top1 w4: P1.2@600,2120 675,2120 746.66,2048.35 S1.141@880.28,2048.35
GPIO65: P1.8 S1.129 | length 351.6
  Top1 w4: P1.8@600,1820 600,1850 690,1940 835,1940 844.77,1930.23 S1.129@880.28,1930.23
GPIO73: D3.2 P1.1 S1.21 | length 5712
  Top1 w4: P1.1@500,2120 447,2067 447,1603 488,1562 652,1562 704,1510 704,1419 779,1344 779,1188 819,1148 819,884 835.76,867.24 S1.21@880.28,867.24 ; v1(2245,3137) 2237,3129 2237,3071 2283,3025 2426,3025 2472,3071 D3.2@2550,3071
  Bottom4 w4: P1.1@500,2120 690,2310 690,2762 589,2863 478,2863 438,2903 438,2988 477,3027 536,3027 672,3163 766,3163 995,3392 1793,3392 1955,3230 1955,2985 2103,2837 2162,2837 2225,2900 2225,3117 v1(2245,3137)
GPIO_RST_OUT: P1.11 R37.1 S1.109 | length 2939.4
  Top1 w4: v1(2590,2905) R37.1@2590,2932.5
  Top1 w6: P1.11@500,1620 546,1574 654,1574 813.39,1733.39 S1.109@880.28,1733.39 v1(929.61,1733.39)
  Signal3 w4: v1(929.61,1733.39) 1003.39,1733.39 1020,1750 1208,1750 1900,2442 v1(1935,2442) ; v1(1912,2755) 2225,2755 2375,2905 v1(2590,2905)
  Bottom4 w4: v1(1912,2755) 1869,2712 1869,2541 1935,2475 v1(1935,2442)
HOST_PWR_EN: P1.16 S1.112 | length 1290.4
  Top1 w4: S1.112@1085,1753.07 1130.07,1753.07 v1(1152,1775)
  Bottom4 w4: P1.16@600,1420 703,1317 847.73,1317 854.73,1310 1010,1310 1042,1342 1140,1342 1314,1516 1314,1551 1284,1581 1284,1717 1226,1775 v1(1152,1775)